# Altium PCB Cosmos.PcbDoc
Units mm, origin at the board's own origin, x right, y up, seen from the top; angles counter-clockwise.
Board outline 33 x 14 mm, 2 copper layers (Top Layer, Bottom Layer), stack 1.569 mm thick; 46 components, 42 nets, 163 pads, 70 vias.
Unrouted connection lines stored in the file: 8.
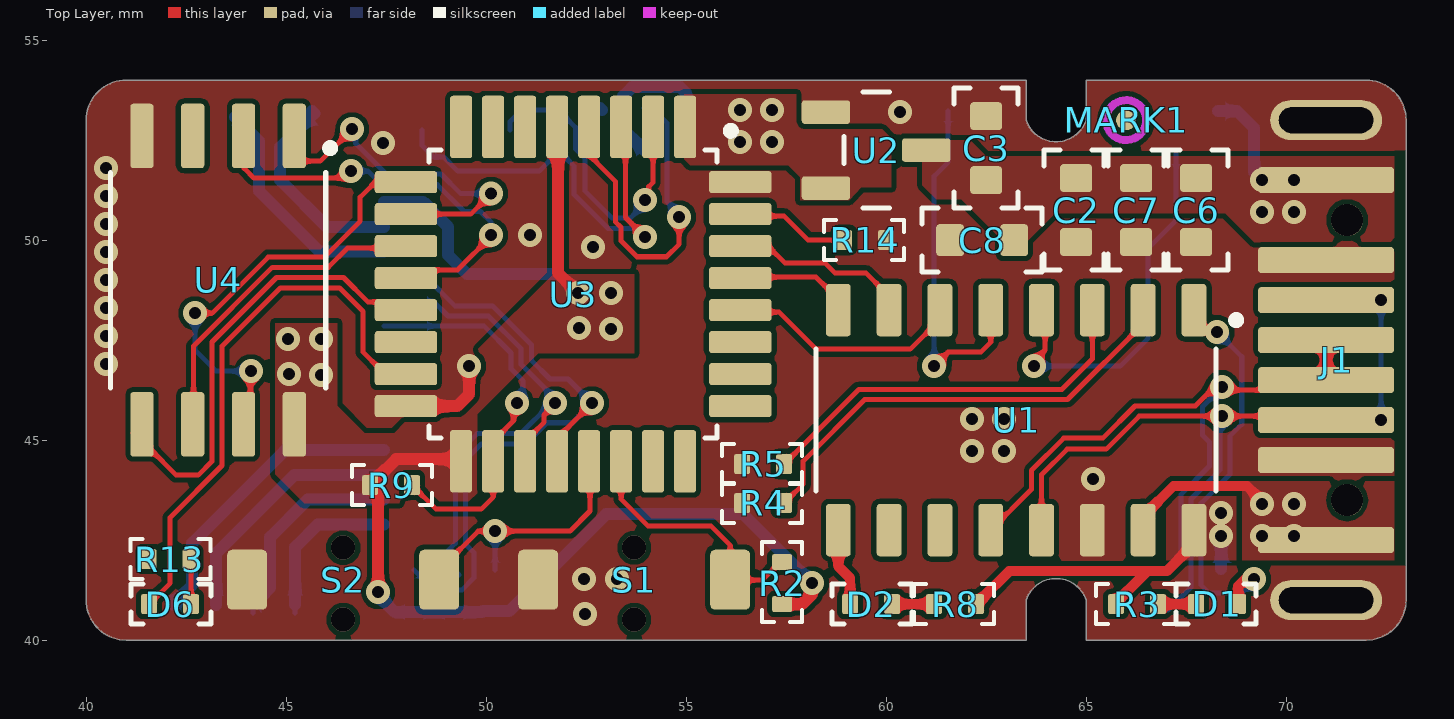
[diagram p0: Top Layer view]
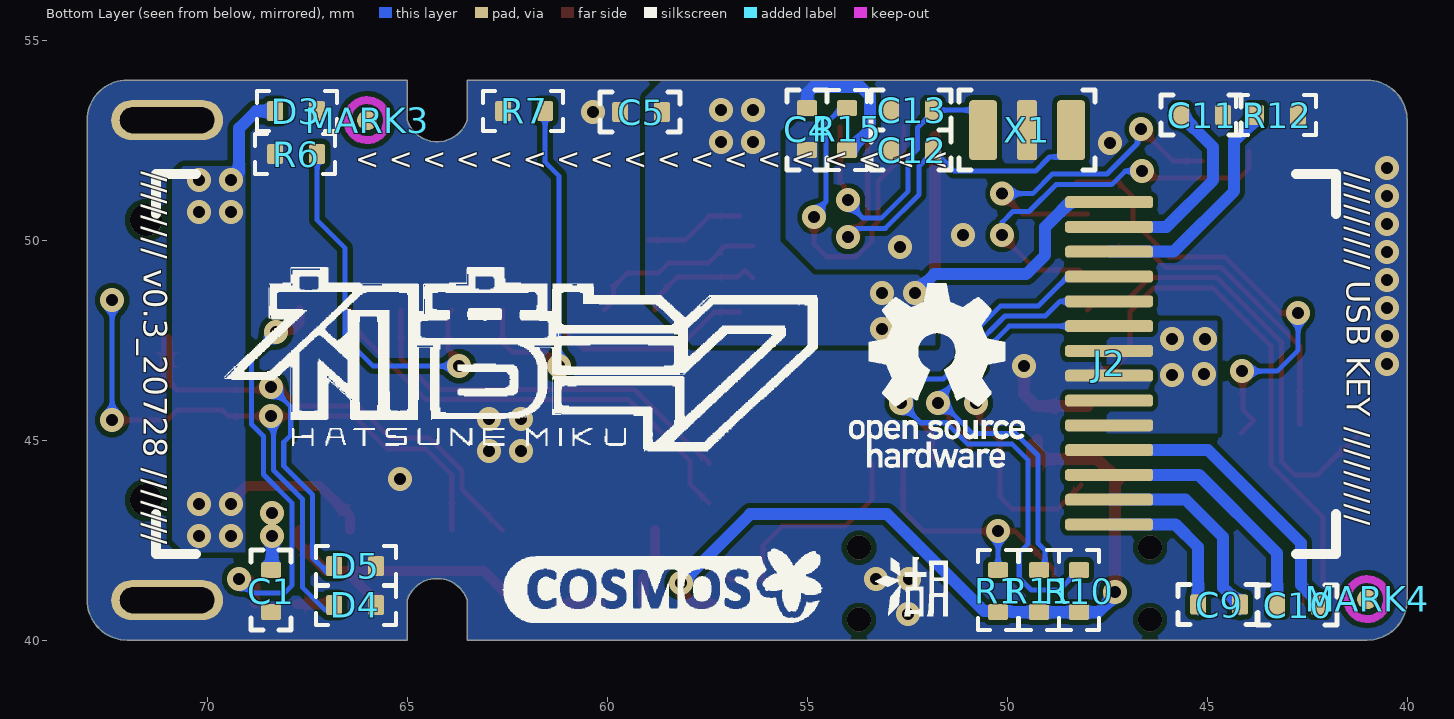
[diagram p1: Bottom Layer view, seen from below]

## Layer stack, top to bottom
Top Solder: solder mask 0.0254, SM-001, Dk 4
Top Layer: signal copper 0.035
Dielectric 1: core 1.4986, Core-043, Dk 4.3
Bottom Layer: signal copper 0.035
Bottom Solder: solder mask 0.0254, SM-001, Dk 4

## Board outline
41,40 63.5,40 63.5,41 cw(c64.25,40.75) 65,41 65,40 72,40 ccw(c72,41) 73,41 73,53 ccw(c72,53) 72,54 65,54 65,53 cw(c64.25,53.25) 63.5,53 63.5,54 41,54 ccw(c41,53) 40,53 40,41 ccw(c41,41)

## Design rules (kind name [scope] priority, off if disabled: settings)
Clearance [All] p1: gap=0.127 ignorepadtopadclearanceinfootprint=TRUE
PolygonConnect [All] p1: connectstyle=Direct reliefconductorwidth=0.254 reliefentries=4 polygonreliefangle="90 Angle" airgapwidth=0.254
RoutingVias [All] p1: holewidth=0.711 width=1.27 viastyle="Through Hole" minholewidth=0.3 minwidth=0.3 maxholewidth=0.711 maxwidth=1.27
SolderMaskExpansion [All] p1: expansion=0.102 istentingtop=FALSE
Width [All] p1: maxlimit=5 minlimit=0.127 preferedwidth=0.254
30 further rules are at their usual default settings.

## Components (designator, comment, footprint, x,y, rotation, side; value= is the part's Value field where it differs from the comment)
C1 "0.1uF" C0402 68.4,41.75 r270 bottom
C2 "1uF" C0603 64.75,50.75 r90 top
C3 "0.1uF" C0603 62.5,52.3 r270 top
C4 "1uF" C0402 55,52.25 r90 bottom
C5 "0.1uF" C0402 59.675,53.2 r180 bottom
C6 "10uF" C0603 67.75,50.75 r90 top
C7 "1uF" C0603 66.25,50.75 r90 top
C8 "0.1uF" C0603 62.4,50 r0 top
C9 "1uF" C0402 45.225,40.889 r180 bottom
C10 "1uF" C0402 43.25,40.875 r180 bottom
C11 "2.2uF" C0402 45.65,53.125 r180 bottom
C12 "12pF" C0402 52.9,52.25 r180 bottom
C13 "12pF" C0402 52.9,53.25 r180 bottom
D1 "RED" LED0402 67.75,40.9 r0 top
D2 "RED" LED0402 60.15,40.9 r180 top
D3 "ESD5V3U1U" ESD5V3U1U 67.25,53.225 r0 bottom
D4 "ESD5V3U1U" ESD5V3U1U 65.775,40.875 r0 bottom
D5 "ESD5V3U1U" ESD5V3U1U 65.775,41.85 r0 bottom
D6 "RED" LED0402 42.625,40.9 r180 top
J1 "USBCONN" USBAM_SNGLE_8PIN 71,51.5 r0 top locked
J2 "0.8 Pitch, 14 Pins" FPC-14PIN 47.45,42.89 r90 bottom locked
MARK1 "Mark point" MARKPOINT 66,53 r90 top
MARK3 "Mark point" MARKPOINT 66,53 r90 bottom
MARK4 "Mark point" MARKPOINT 41,41.025 r90 bottom
R1 "470R" R0402 50.225,41.75 r270 bottom
R2 "470R" R0402 57.4,41.95 r270 top
R3 "470R" R0402 65.75,40.9 r0 top
R4 "0R" R0402 56.4,43.425 r0 top
R5 "0R" R0402 56.4,44.4 r0 top
R6 "0R" R0402 68.3,52.15 r180 bottom
R7 "0R" R0402 62.6,53.225 r180 bottom
R8 "470R" R0402 61.2,40.9 r0 top
R9 "0R" R0402 48.15,43.875 r180 top
R10 "4.7K" R0402 48.2,41.75 r270 bottom
R11 "4.7K" R0402 49.2,41.75 r270 bottom
R12 "560K" R0402 43.775,53.125 r180 bottom
R13 "470R" R0402 42.611,42.025 r180 top
R14 "1K" R0402 58.95,50 r0 top
R15 "1K" R0402 54,52.25 r90 bottom
S1 "BUTTON" YD3410 53.702,41.51 r180 top
S2 "BUTTON" YD3410 46.427,41.51 r180 top
U1 "CH9329" CH9329 63.25,45.5 r270 top locked
U2 "XC6206P332MR" XC6206P332MR 59.75,52.25 r180 top
U3 "STM32F030K6" STM32F030K6 52.175,48.65 r270 top locked
U4 "64MBit SPI FLASH" W25Q64JVSSIQ 43.3,49 r270 top locked
X1 "16 Mhz" CSTCE16M0V53-R0 49.5,52.75 r0 bottom

## Footprints (in the part's own frame and the unit in brackets; to place one, negate y for a bottom-side part, rotate by r counter-clockwise, add the part's x,y. Pads: shape width x height; smd on the part's side, far side on the other; paste and mask are expansions set on the pad)
C0402 [mm]
  rrect25% 0.4x0.5 smd: 1(0,0) 2(1.05,0)
  silkscreen extent -0.5,-0.5 1.5,0.5, body extent 0.03,-0.26 1.03,0.26, height 0.53
C0603 [mm]
  rrect25% 0.7x0.8 smd: 1(-0.8,0) 2(0.8,0)
  silkscreen extent -1.5,-0.8 1.5,0.8, body extent -0.8,-0.41 0.8,0.41, height 0.81
CH9329 [mm]
  rrect25% 1.31x0.62 smd: 1(-2.75,4.445) 2(-2.75,3.175) 3(-2.75,1.905) 4(-2.75,0.635) 5(-2.75,-0.635) 6(-2.75,-1.905) 7(-2.75,-3.175) 8(-2.75,-4.445) 9(2.75,-4.445) 10(2.75,-3.175) 11(2.75,-1.905) 12(2.75,-0.635) 13(2.75,0.635) 14(2.75,1.905) 15(2.75,3.175) 16(2.75,4.445)
  silkscreen extent -2.6,-5 1.78,5.6, body extent -3,-5 3,5, height 1.8
CSTCE16M0V53-R0 [mm] "3215 Crystal 16Mhz"
  rrect25% 0.7x1.5 smd: 1(-1.1,0) 2(1.1,0)
  rrect25% 0.5x1.5 smd: 3(0,0)
  silkscreen extent -1.7,-1 1.7,1, body extent -1.6,-0.75 1.6,0.75, height 0.61
ESD5V3U1U [mm]
  rrect25% 0.4x0.5 smd: 1(0,0) 2(1.05,0)
  silkscreen extent -0.5,-0.5 1.5,0.5, body extent -0.18,-0.3 1.23,0.3, height 0.53
FPC-14PIN [mm]
  rrect50% 0.3x2.2 smd: 1(0,0) 2(0.62,0) 3(1.24,0) 4(1.86,0) 5(2.48,0) 6(3.1,0) 7(3.72,0) 8(4.34,0) 9(4.96,0) 10(5.58,0) 11(6.2,0) 12(6.82,0) 13(7.44,0) 14(8.06,0)
  silkscreen extent -0.74,-5.67 8.76,23.83, body extent -0.24,-5.22 8.26,23.28, height 2.2
LED0402 [mm]
  rrect25% 0.4x0.5 smd: 1(0,0) 2(1.05,0)
  silkscreen extent -0.5,-0.5 1.5,0.5, body extent 0,-0.28 1.05,0.27, height 0.4
MARKPOINT [mm] "mark point"
  round 0.5 smd: ""(0,0)
  Top Layer keep-out circle w0.2: c0,0 r0.5
R0402 [mm]
  rrect25% 0.4x0.5 smd: 1(0,0) 2(1.05,0)
  silkscreen extent -0.5,-0.5 1.5,0.5, body extent 0,-0.25 1,0.25, height 0.3
STM32F030K6 [mm]
  rrect25% 1.56x0.55 smd: 1(-4.18,2.8) 2(-4.18,2) 3(-4.18,1.2) 4(-4.18,0.4) 5(-4.18,-0.4) 6(-4.18,-1.2) 7(-4.18,-2) 8(-4.18,-2.8) 17(4.18,-2.8) 18(4.18,-2) 19(4.18,-1.2) 20(4.18,-0.4) 21(4.18,0.4) 22(4.18,1.2) 23(4.18,2) 24(4.18,2.8)
  rrect25% 0.55x1.56 smd: 9(-2.8,-4.18) 10(-2,-4.18) 11(-1.2,-4.18) 12(-0.4,-4.18) 13(0.4,-4.18) 14(1.2,-4.18) 15(2,-4.18) 16(2.8,-4.18) 25(2.8,4.18) 26(2,4.18) 27(1.2,4.18) 28(0.4,4.18) 29(-0.4,4.18) 30(-1.2,4.18) 31(-2,4.18) 32(-2.8,4.18)
  silkscreen extent -4.18,-3.6 3.6,4.04, body extent -4.5,-4.5 4.5,4.5, height 1.63
USBAM_SNGLE_8PIN [mm] "USB TypeA, 8Pin, Double Side"
  rrect25% 3.4x0.65 smd: 1(0,-9) 1(0,0) 2(0,-6) 2(0,-3) 3(0,-5) 3(0,-4) 4(0,-7) 4(0,-2)
  rrect100% 2.8x1 hole 0.65 slot 2.36 at 0 deg: ""(0,-10.5) ""(0,1.5)
  round 0.8 hole 0.8: ""(0.525,-8) ""(0.525,-1)
  body extent -1.2,-10.43 15.05,1.37, height 2.6
W25Q64JVSSIQ [mm]
  rrect25% 1.61x0.58 smd: 1(-3.605,1.905) 2(-3.605,0.635) 3(-3.605,-0.635) 4(-3.605,-1.905) 5(3.605,-1.905) 6(3.605,-0.635) 7(3.605,0.635) 8(3.605,1.905)
  silkscreen extent -3.4,-2.69 2.69,2.9, body extent -3.9,-3.1 3.9,3.1, height 2
XC6206P332MR [mm] "3.3V"
  rrect25% 1.21x0.59 smd: 1(1.255,-0.95) 2(1.255,0.95) 3(-1.255,0)
  silkscreen extent -0.33,-1.45 0.8,1.45, body extent -1.4,-1.45 1.4,1.45, height 1.45
YD3410 [mm]
  rrect25% 1x1.5 smd: 1(-2.4,0) 2(2.4,0)
  body extent -2.45,-1.5 2.65,2.3, height 1.6

## Part data
C1 C3 C5 C8: library part C_0.1UF
C2 C4 C7 C9 C10: library part C_1UF
C6: library part C_10UF
C11: library part C_2.2UF
C12 C13: library part C_12PF
D1 D2 D6: library part LED_RED
J2: library part FPC_14PIN
MARK1 MARK3 MARK4: library part MP
R1 R2 R3 R8 R13: library part R_470R
R4 R5 R6 R7 R9: library part R_0R
R10 R11: library part R_4.7K
R12: library part R_560K
R14 R15: library part R_1K
U4: library part W25Q64JVSSIQ
X1: library part CRYSTAL_16MHZ

## Via types
v1: diameter 0.6, hole 0.3, Top Layer to Bottom Layer, tented both sides, 66 vias
v2: diameter 0.6, hole 0.6, Top Layer to Bottom Layer, 4 vias

## Nets (pads, with @x,y where several pads share a name; then routed paths per layer and width w, separated by ;. In a path a pad name is that pad's centre, name@x,y a point inside that pad or via, vN(x,y) a via of type N, cw(c..) or ccw(c..) an arc to the next point about the centre after c; other vN are vias at no path point)
GND: C1.2 C2.1 C3.1 C4.1 C5.1 C6.1 C7.1 C8.1 C11.2 C12.1 C13.1 D3.1 D4.1 D5.1 J1.4 J1.@71,41 J1.@71,53 J2.7 R4.1 R5.1 R6.1 R7.1 R12.2 R14.2 S1.2 S2.2 U1.14 U2.1 U3.16 U3.32 U4.4 X1.3 | length 2.5
  Top Layer w0.3: U3.16 49.275,45.85 49.575,46.15 v1(49.575,46.85)
  Bottom Layer w0.3: C13.1@52.85,53.3 C13.1
  other v1: 52.475,40.65 52.45,41.525 53.275,41.525 65.175,44.025 62.151,44.724 62.95,44.725 62.151,45.524 62.951,45.524 40.5,46.9 40.5,47.6 40.5,48.3 40.5,49 40.5,49.7 52.675,49.825 51.1,50.125 40.5,50.4 40.5,51.1 40.5,51.8 47.425,52.425 60.35,53.2
NetC9_1: C9.1 J2.1 | length 3.9
  Bottom Layer w0.127: C9.1@45.225,40.675 C9.1@45.225,40.725 ; 45.225,42.325 45.25,42.35
  Bottom Layer w0.3: C9.1 45.225,42.325 ; 45.25,42.35 45.79,42.89 J2.1
NetC9_2: C9.2 J2.2 | length 5.1
  Bottom Layer w0.127: C9.2@44.175,40.675 C9.2@44.175,40.725
  Bottom Layer w0.3: C9.2 44.6,41.314 44.6,42.575 45.535,43.51 J2.2
NetC10_1: C10.1 J2.3 | length 6.3
  Bottom Layer w0.3: C10.1 43.25,42.175 45.205,44.13 J2.3
NetC10_2: C10.2 J2.4 | length 7.5
  Bottom Layer w0.3: C10.2 42.2,40.925 42.65,41.375 42.65,42.425 44.975,44.75 J2.4
NetC11_1: C11.1 J2.13 | length 5.2
  Bottom Layer w0.3: C11.1@45.712,53.162 45.65,53.225 C11.1 44.85,52.325 44.85,51.5 46.02,50.33 J2.13
NetC12_2: C12.2 U3.3 X1.1 | length 10.3
  Top Layer w0.127: U3.3@53.485,52.422 53.485,50.565 v1(53.975,50.075)
  Bottom Layer w0.127: X1.1 48.4,52.363 48.685,52.078 48.939,52.078 49.292,51.725 51.325,51.725 51.664,52.063 51.714,52.063 C12.2@51.85,52.2 ; C12.2 C12.2@51.85,52.2 ; v1(53.975,50.075) 53.754,50.296 53.045,50.296 52.2,51.141 52.2,51.85 C12.2@51.85,52.2
NetC13_2: C13.2 U3.2 X1.2 | length 7.8
  Top Layer w0.127: v1(53.975,51) 54.066,51.091 54.066,51.335 54.175,51.445 U3.2
  Bottom Layer w0.127: X1.2 50.6,52.965 50.885,53.25 C13.2 51.85,53.2 52.241,52.809 52.241,52.275 52.475,52.041 52.475,51.225 53.15,50.55 53.605,50.55 53.975,50.92 v1(53.975,51)
NetD1_1: D1.1 R3.2 | length 0.9
  Top Layer w0.254: R3.2 D1.1
NetD1_2: D1.2 U1.1 | length 10.5
  Top Layer w0.254: U1.1 67.695,47.933 67.878,47.75 68.225,47.75 v1(68.275,47.7) ; D1.2 68.8,41.35 68.975,41.525 v1(69.2,41.525)
  Bottom Layer w0.127: v1(68.275,47.7) 68.89,47.085 68.89,45.397 68.594,45.1 68.594,44.144 67.875,43.425 67.875,41.375 68.075,41.175 68.85,41.175 v1(69.2,41.525)
NetD2_1: D2.1 R8.1 | length 1
  Top Layer w0.254: D2.1 R8.1
NetD2_2: D2.2 U1.9 | length 2
  Top Layer w0.254: U1.9 58.805,41.845 59.1,41.55 D2.2
NetD4_2: D4.2 J1.2 U1.13 | length 19.1
  Top Layer w0.127: U1.13 63.885,44.135 64.525,44.775 65.5,44.775 66.325,45.6 v1(68.4,45.6) 69.475,45.6 69.626,45.751 70.749,45.751 71,45.5 v1(72.375,45.5)
  Bottom Layer w0.127: 67.05,40.75 67.621,41.321 67.621,43.53 68.34,44.249 68.34,45.539 v1(68.4,45.6) ; v1(72.375,45.5) v1(72.375,48.5)
NetD5_2: D5.2 J1.3 U1.12 | length 16.6
  Top Layer w0.127: U1.12 63.631,43.766 63.631,44.24 64.441,45.05 65.416,45.05 66.22,45.854 67.729,45.854 68.202,46.327 v1(68.4,46.327) 68.478,46.249 70.749,46.249 J1.3@71,46.5
  Top Layer w0.3: J1.3@71,46.5 J1.3@71,47.5
  Bottom Layer w0.127: 67.025,41.725 67.367,42.067 67.367,43.635 68.086,44.354 68.086,44.946 67.91,45.122 67.91,45.836 v1(68.4,46.327)
NetD6_1: D6.1 R13.1 | length 1.1
  Top Layer w0.127: D6.1 R13.1@42.625,42.025
NetD6_2: D6.2 U3.15 | length 13.9
  Top Layer w0.127: D6.2 42.1,41.425 42.1,43.066 43.399,44.365 43.399,47.347 44.861,48.808 46.333,48.808 46.925,48.216 46.925,47.2 47.332,46.793 47.852,46.793 U3.15
NetJ2_9: J2.9 R9.1 U3.18 | length 9.9
  Top Layer w0.127: R9.1 48.75,43.275 49.875,43.275 50.175,43.575 U3.18 50.175,44.975 50.684,45.484 50.684,45.834 v1(50.775,45.925)
  Bottom Layer w0.127: J2.9 49.95,47.85 50.621,47.179 50.621,46.786 50.925,46.482 50.925,46.075 v1(50.775,45.925) v1@50.742,45.958
NetJ2_10: J2.10 R11.1 U3.19 | length 13.3
  Top Layer w0.127: U3.19@50.925,44.795 50.925,44.925 51.45,45.45 51.45,45.625 v1@51.725,45.9
  Bottom Layer w0.127: J2.10 48.68,48.47 49.046,48.104 50.055,48.104 50.875,47.284 50.875,46.891 51.725,46.041 v1(51.725,45.925) ; R11.1@49.32,41.63 R11.1 49.187,41.75 49.05,41.886 49.05,42.241 49.229,42.42 49.229,44.613 49.778,45.162 50.862,45.162 51.6,45.9 v1@51.725,45.9
NetJ2_11: J2.11 R10.1 U3.20 | length 17.2
  Top Layer w0.127: U3.20 51.866,44.561 51.866,45.141 v1(52.65,45.925)
  Bottom Layer w0.127: J2.11 48.485,49.09 49.217,48.358 50.16,48.358 51.129,47.389 51.129,46.996 51.594,46.531 52.044,46.531 v1(52.65,45.925) 52.159,45.435 51.522,45.435 50.995,44.908 49.883,44.908 49.483,44.508 49.483,42.4 49.697,42.186 49.697,41.557 49.39,41.25 48.7,41.25 R10.1
NetJ2_12: J2.12 R12.1 | length 5.9
  Bottom Layer w0.3: R12.1@43.725,53.075 44.325,52.475 44.325,51.225 45.84,49.71 J2.12
NetR1_1: R1.1 S2.1 U3.21 | length 6.8
  Top Layer w0.127: S2.1 48.827,41.752 49.8,42.725 50.275,42.725 52.094,42.725 52.597,43.229 52.597,44.448 U3.21
  Bottom Layer w0.127: R1.1 v1(50.225,42.725)
NetR2_1: R2.1 S1.1 U3.22 | length 6.5
  Top Layer w0.127: U3.22@53.375,44.42 53.375,43.525 54.05,42.85 55.625,42.85 56.1,42.375 56.1,41.5 56.9,41.5 57.35,41.95 R2.1
NetR4_2: R4.2 U1.2 | length 11.5
  Top Layer w0.127: R4.2 57.925,43.9 57.925,44.475 59.464,46.014 64.534,46.014 66.425,47.905 U1.2
NetR5_2: R5.2 U1.3 | length 10
  Top Layer w0.127: R5.2 57.45,44.45 57.586,44.586 57.636,44.586 59.318,46.268 64.393,46.268 65.155,47.03 U1.3
NetR6_2: R6.2 U1.4 | length 9.6
  Top Layer w0.127: v1(63.7,46.85) 63.7,46.978 63.975,47.253 63.975,48.16 U1.4
  Bottom Layer w0.127: v1(63.7,46.85) 65.85,46.85 66.55,47.55 66.55,49.8 67.25,50.5 R6.2
NetR7_2: R7.2 U1.5 | length 9
  Top Layer w0.127: v1(61.2,46.85) 61.55,47.2 62.366,47.2 62.615,47.449 U1.5
  Bottom Layer w0.127: v1(61.2,46.85) 61.2,51.6 61.55,51.95 R7.2
NetR14_1: R14.1 U3.31 | length 2.5
  Top Layer w0.127: U3.31@56.68,50.6 57.45,50.6 58.05,50 R14.1
NetR15_2: R15.2 U3.4 | length 8.8
  Top Layer w0.127: U3.4 52.575,52.125 53.231,51.47 53.231,50.46 53.375,50.316 53.375,49.981 53.772,49.585 54.51,49.585 54.825,49.9 v1(54.825,50.575)
  Bottom Layer w0.127: R15.2@53.95,53.3 R15.2 54.15,53.3 54.525,52.925 54.525,50.969 54.825,50.669 v1(54.825,50.575)
NetU1_6: U1.6 U3.28 | length 5.6
  Top Layer w0.127: U3.28@56.68,48.2 57.325,48.2 58.25,47.275 60.6,47.275 61.345,48.02 U1.6
NetU1_7: U1.7 U3.30 | length 4.6
  Top Layer w0.127: U3.30 57.05,49.85 57.475,49.425 58.475,49.425 58.725,49.175 59.5,49.175 59.837,48.838 59.837,48.488 U1.7
NetU1_8: U1.8 U3.29 | length 3.4
  Top Layer w0.127: U3.29 56.559,49.254 56.738,49.075 58.249,49.075 58.805,48.519 U1.8 U1.8@58.608,48.447
NetU3_6: U3.6
NetU3_9: U3.9 U4.7 | length 11.6
  Top Layer w0.127: v1(42.725,48.175) 43.15,48.175 44.55,49.575 45.95,49.575 46.85,50.475 46.85,51.075 47.225,51.45 U3.9 U3.9@48.27,51.45 ; v1(44.125,46.725) 44.107,46.707 44.107,45.757 43.84,45.49 U4.7 U4.7@44.156,45.174
  Bottom Layer w0.127: v1(42.725,48.175) 42.725,47.25 43.25,46.725 v1(44.125,46.725)
NetU3_10: U3.10 U4.1 | length 8.5
  Top Layer w0.127: U4.1@45.131,51.975 45.85,51.975 v1(46.65,52.775) ; U3.10 49.613,50.65 v1(50.125,51.162)
  Bottom Layer w0.127: v1(46.65,52.775) 46.741,52.684 46.741,52.416 47.502,51.654 48.871,51.654 49.362,51.162 v1(50.125,51.162)
NetU3_11: U3.11 U4.6 | length 8.7
  Top Layer w0.127: U4.6@42.684,45.395 42.684,47.35 44.655,49.321 46.055,49.321 46.534,49.8 U3.11@48.42,49.8
NetU3_12: U3.12 U4.2 | length 10.2
  Top Layer w0.127: U4.2@43.95,52.225 43.95,51.795 44.195,51.55 46.45,51.55 v1(46.625,51.725) ; U3.12 48.203,49.258 49.283,49.258 50.125,50.1 v1(50.125,50.125)
  Bottom Layer w0.127: v1(46.625,51.725) 47.05,51.725 47.387,51.388 48.778,51.388 49.452,50.714 49.861,50.714 50.125,50.45 v1(50.125,50.125)
NetU3_13: U3.13 U4.5 | length 11.4
  Top Layer w0.127: U4.5@41.175,45.175 41.573,44.777 41.602,44.777 42.254,44.125 42.8,44.125 43.145,44.471 43.145,47.452 44.76,49.067 46.433,49.067 47.042,48.458 47.787,48.458 U3.13
NetU3_23: U3.23
NetU3_24: U3.24
V33: C1.1 R3.1 R8.2 U1.16 | length 8.4
  Top Layer w0.254: R8.2 62.25,40.95 62.323,41.023 62.373,41.023 63.075,41.725 67.015,41.725 67.695,42.405 U1.16 ; R3.1 65.75,40.95 66.513,41.712
  Bottom Layer w0.127: C1.1@68.375,41.775 C1.1
  Bottom Layer w0.3: C1.1@68.375,41.775 v1(68.375,42.6)
  other v1: 68.375,43.175
VBUS: C2.2 C3.2 C6.2 C7.2 C8.2 D3.2 J1.1 U1.15 U2.3 | length 6.4
  Top Layer w0.254: U1.15 66.425,43.095 67.184,43.854 69.021,43.854 v1@69.4,43.475 ; v1(69.4,43.4) v1@69.4,43.475 ; v1@69.4,43.55 v1@69.4,43.475
  Bottom Layer w0.3: D3.2 68.775,53.225 69.2,52.8 69.2,51.7 v1(69.4,51.5)
  other v1: 69.4,42.6 70.2,42.6 70.2,43.4 69.4,50.7 70.2,50.7 70.2,51.5
VMCU: C4.2 C5.2 J2.5 J2.8 J2.14 R1.2 R2.2 R9.2 R10.2 R11.2 R13.2 R15.1 U2.2 U3.1 U3.5 U3.17 U4.3 U4.8 | length 34
  Top Layer w0.3: v1(47.3,41.2) 47.3,44.075 47.75,44.525 U3.17@49.375,44.525 ; U3.17@49.25,44.725 49.25,45 49.375,44.875 U3.17@49.375,44.525 ; U3.17 U3.17@49.375,44.525 ; U3.5@51.8,52.58 51.8,49.175 v1(52.3,48.675) ; R2.2 57.9,40.9 58.15,41.15 v1(58.15,41.425)
  Bottom Layer w0.254: R15.1@53.95,52.25 R15.1
  Bottom Layer w0.3: v1(47.3,41.2) 47.3,41.119 47.719,40.7 R10.2 R11.2 49.9,40.7 49.925,40.725 50.575,40.725 53,43.15 56.425,43.15 v1(58.15,41.425) ; J2.14 48.428,50.95 49.05,50.328 49.05,49.625 49.525,49.15 51.825,49.15 v1(52.3,48.675) ; R15.1@53.95,52.25 53.425,52.775 53.425,53.601 53.649,53.825 54.85,53.825 55,53.675 C4.2
  other v1: 45.875,46.625 45.075,46.65 45.05,47.525 45.875,47.525 53.125,47.775 52.325,47.8 53.125,48.675 56.35,52.45 57.15,52.45 56.35,53.25 57.15,53.25
pads on no net: J1.@71.525,43.5 J1.@71.525,50.5 J2.6 MARK1. MARK3. MARK4. U1.10 U1.11 U3.7 U3.8 U3.14 U3.25 U3.26 U3.27
copper on no net:
  other v2: 46.427,40.51 53.702,40.51 46.427,42.31 53.702,42.31

## Polygon pours and split planes (outlines as drawn)
GND on Top Layer "GND_L01_P013" (solid, remove dead copper, pour order 13): 41,40 63.5,40 63.5,41 cw(c64.25,40.75) 65,41 65,40 72,40 ccw(c72,41) 73,41 73,53 ccw(c72,53) 72,54 65,54 65,53 cw(c64.25,53.25) 63.5,53 63.5,54 41,54 ccw(c41,53) 40,53 40,41 ccw(c41,41)
VMCU on Top Layer "VMCU_L01_P011" (solid, pour order 11): 53.7,49.15 53.7,47.175 51.925,47.175 51.3,47.175 49.775,45.65 49.775,43.675 49.525,43.425 45.45,43.425 44.725,44.15 44.725,47.925 46.275,47.925 46.275,45.863 46.963,45.175 47.7,45.175 49.329,46.804 51.675,49.15
VBUS on Top Layer "VBUS_L01_P003" (solid, pour order 3): 72.7,49.95 69.2,49.95 68.475,50.675 64.225,50.675 63.5,49.95 62.95,49.95 61.875,51.025 61.25,51.025 60.9,51.375 60.9,52 60.9,52.5 62.1,52.5 62.5,52.1 69.2,52.1 72.7,52.1
VBUS on Top Layer "VBUS_L01_P000" (solid, remove dead copper, pour order 0): 72.7,43.975 68.9,43.975 68.9,42 72.7,42
VMCU on Top Layer "VMCU_L01_P005" (solid, pour order 5): 59.075,51 59.375,51.325 60.125,51.325 60.125,52.55 59.9,52.775 57.925,52.775 57.75,52.95 57.75,53.65 54.95,53.65 54.95,52.025 55.1,51.875 57.55,51.875 57.85,51.575 57.85,51
V33 on Top Layer "V33_L01_P004" (solid, pour order 4): 67,43.3 67,42 68.75,42 68.75,43.6 67.3,43.6
GND on Bottom Layer "GND_L02_P012" (solid, remove dead copper, pour order 12): 41,40 63.5,40 63.5,41 cw(c64.25,40.75) 65,41 65,40 72,40 ccw(c72,41) 73,41 73,53 ccw(c72,53) 72,54 65,54 65,53 cw(c64.25,53.25) 63.5,53 63.5,54 41,54 ccw(c41,53) 40,53 40,41 ccw(c41,41)
VMCU on Bottom Layer "VMCU_L02_P008" (solid, pour order 8): 44.75,47.975 44.757,47.982 47.512,47.982 47.507,45.175 44.75,45.175
VMCU on Bottom Layer "VMCU_L02_P006" (solid, pour order 6): 58.625,54 59.05,53.575 59.05,48.55 57.875,47.375 51.8,47.375 51.8,48.7 52.236,49.136 54.836,49.136 55.675,49.975 55.675,52.725 55.3,53.1 54.825,53.1 54.825,54
VBUS on Bottom Layer "VBUS_L02_P001" (solid, pour order 1): 69.05,51.85 70.6,51.85 70.875,51.575 70.875,42.5 70.575,42.2 69.05,42.2

## Other copper
Top Layer:
  pour cut-out: 72.7,52.237 72.713,52.25 73.025,52.25 73.025,41.85 73.012,41.863 72.7,41.863

## Silkscreen, mask and mechanical layers (free items; w line width, h text height)
Bottom Overlay:
  drawing of 41 lines, arcs and shapes, not listed
  text "///////// USB KEY /////////" at 41.704,51.726 h1 r90
  text "//////// v0.3_20728 ///////" at 71.779,51.726 h1 r90
  text "< < < < < < < < < < < < < < < < < <" at 66.3,51.598 h0.9
Mechanical 1:
  lines w0.254: 40,41 ccw(c41,41) 41,40 63.5,40 63.5,40.5 63.5,41 cw(c64.25,40.75) 65,41 65,40 72,40 ccw(c72,41) 73,41 73,53 ccw(c72,53) 72,54 65,54 65,53 cw(c64.25,53.25) 63.5,53 63.5,53.5 63.5,54 41,54 ccw(c41,53) 40,53 40,41